# KiCad board Rabid.kicad_pcb
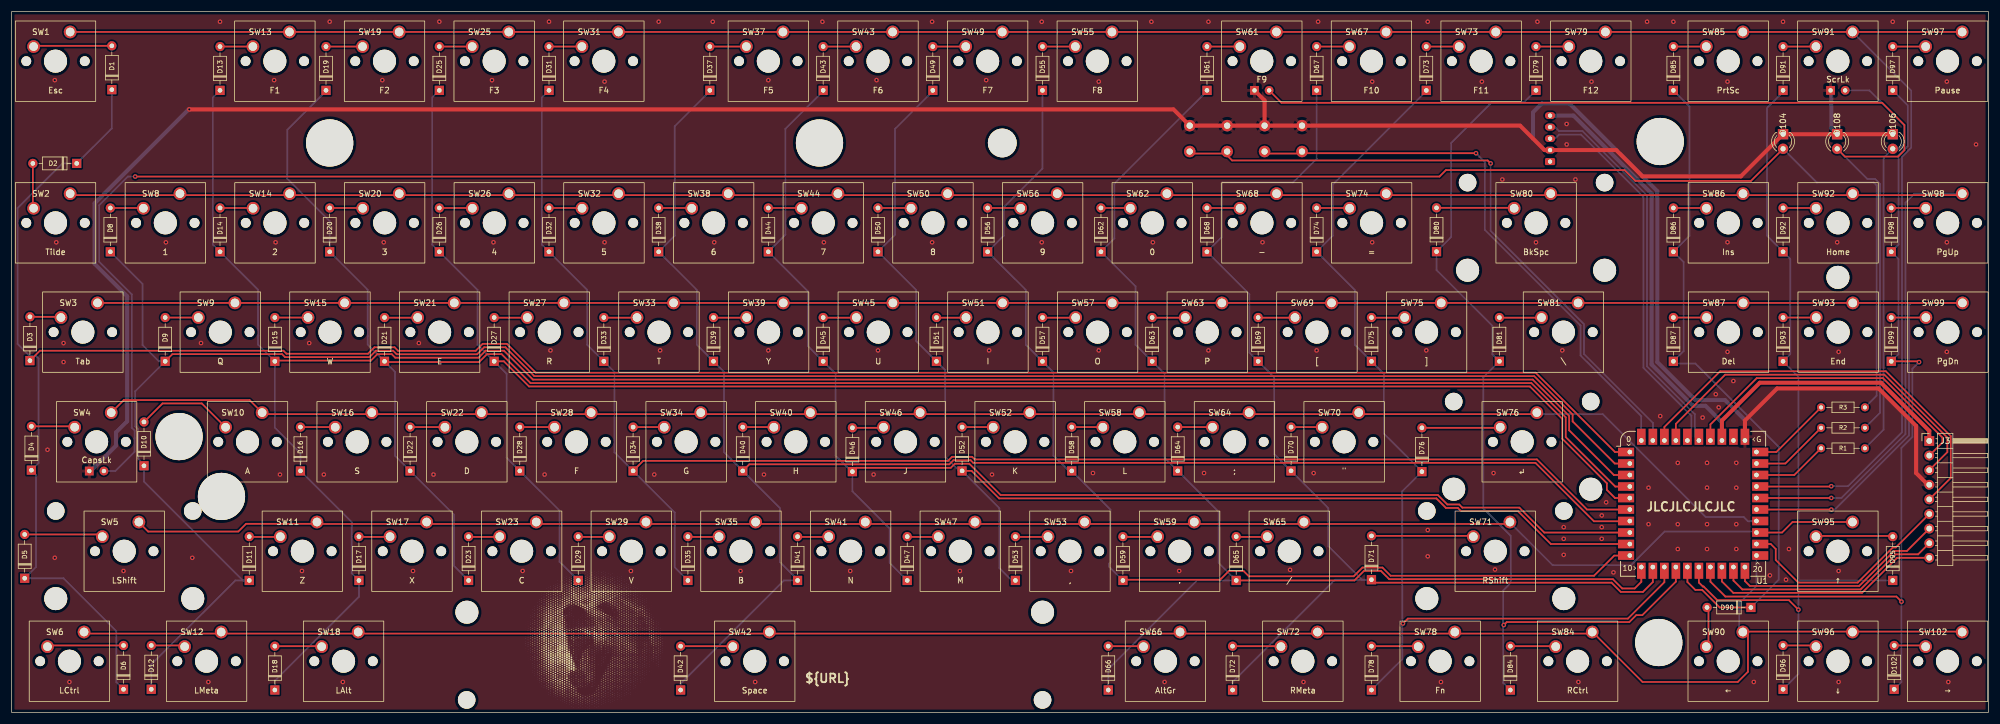
[diagram p0: board, top side]
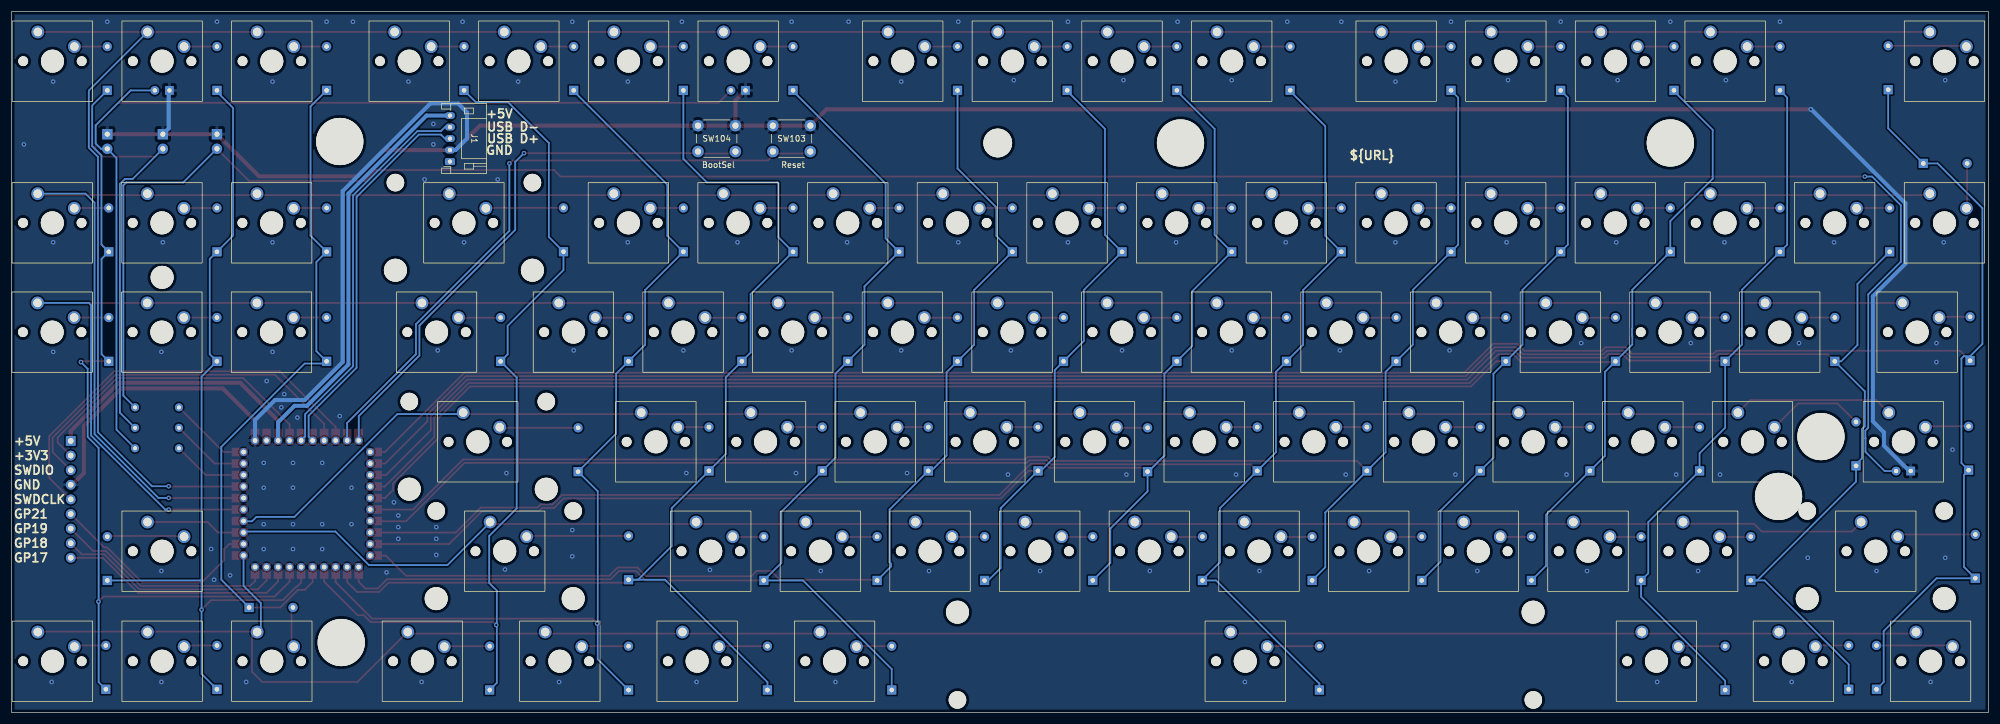
[diagram p1: board, bottom side, seen from below]

Outline 343.43 x 121.89 mm; copper layers: Top, Bottom. Coordinates in mm from the lower left corner of the outline.
Outline path: rectangle 0,121.89 343.43,0
Stack: Top 0.035mm / dielectric 1.51mm FR4 er 4.5 / Bottom 0.035mm

## Placement (name value [footprint] x y rotation side)
D1  1N4148  [D_DO-35_SOD27_P7.62mm_Horizontal]  17.42 108.31 90 top
D2  1N4148  [D_DO-35_SOD27_P7.62mm_Horizontal]  11.33 95.48 180 top
D3  1N4148  [D_DO-35_SOD27_P7.62mm_Horizontal]  3.2 61.19 90 top
D4  1N4148  [D_DO-35_SOD27_P7.62mm_Horizontal]  3.45 42.14 90 top
D5  1N4148  [D_DO-35_SOD27_P7.62mm_Horizontal]  2.29 23.34 90 top
D6  1N4148  [D_DO-35_SOD27_P7.62mm_Horizontal]  19.46 4.04 90 top
D8  1N4148  [D_DO-35_SOD27_P7.62mm_Horizontal]  17.17 80.11 90 top
D9  1N4148  [D_DO-35_SOD27_P7.62mm_Horizontal]  26.7 61.06 90 top
D10  1N4148  [D_DO-35_SOD27_P7.62mm_Horizontal]  23.01 42.9 90 top
D11  1N4148  [D_DO-35_SOD27_P7.62mm_Horizontal]  41.3 22.96 90 top
D12  1N4148  [D_DO-35_SOD27_P7.62mm_Horizontal]  24.28 4.04 90 top
D13  1N4148  [D_DO-35_SOD27_P7.62mm_Horizontal]  36.22 108.18 90 top
D14  1N4148  [D_DO-35_SOD27_P7.62mm_Horizontal]  36.22 80.11 90 top
D15  1N4148  [D_DO-35_SOD27_P7.62mm_Horizontal]  45.75 61.06 90 top
D16  1N4148  [D_DO-35_SOD27_P7.62mm_Horizontal]  50.19 42.01 90 top
D17  1N4148  [D_DO-35_SOD27_P7.62mm_Horizontal]  60.35 22.96 90 top
D18  1N4148  [D_DO-35_SOD27_P7.62mm_Horizontal]  45.75 3.91 90 top
D19  1N4148  [D_DO-35_SOD27_P7.62mm_Horizontal]  54.64 108.18 90 top
D20  1N4148  [D_DO-35_SOD27_P7.62mm_Horizontal]  55.27 80.11 90 top
D21  1N4148  [D_DO-35_SOD27_P7.62mm_Horizontal]  64.8 61.06 90 top
D22  1N4148  [D_DO-35_SOD27_P7.62mm_Horizontal]  69.24 42.01 90 top
D23  1N4148  [D_DO-35_SOD27_P7.62mm_Horizontal]  79.4 22.96 90 top
D25  1N4148  [D_DO-35_SOD27_P7.62mm_Horizontal]  74.32 108.18 90 top
D26  1N4148  [D_DO-35_SOD27_P7.62mm_Horizontal]  74.32 80.11 90 top
D27  1N4148  [D_DO-35_SOD27_P7.62mm_Horizontal]  83.85 61.06 90 top
D28  1N4148  [D_DO-35_SOD27_P7.62mm_Horizontal]  88.29 42.01 90 top
D29  1N4148  [D_DO-35_SOD27_P7.62mm_Horizontal]  98.45 22.96 90 top
D31  1N4148  [D_DO-35_SOD27_P7.62mm_Horizontal]  93.37 108.18 90 top
D32  1N4148  [D_DO-35_SOD27_P7.62mm_Horizontal]  93.37 80.11 90 top
D33  1N4148  [D_DO-35_SOD27_P7.62mm_Horizontal]  102.9 61.06 90 top
D34  1N4148  [D_DO-35_SOD27_P7.62mm_Horizontal]  107.98 42.01 90 top
D35  1N4148  [D_DO-35_SOD27_P7.62mm_Horizontal]  117.5 22.96 90 top
D37  1N4148  [D_DO-35_SOD27_P7.62mm_Horizontal]  121.31 108.18 90 top
D38  1N4148  [D_DO-35_SOD27_P7.62mm_Horizontal]  112.42 80.11 90 top
D39  1N4148  [D_DO-35_SOD27_P7.62mm_Horizontal]  121.95 61.06 90 top
D40  1N4148  [D_DO-35_SOD27_P7.62mm_Horizontal]  127.03 42.01 90 top
D41  1N4148  [D_DO-35_SOD27_P7.62mm_Horizontal]  136.55 22.96 90 top
D42  1N4148  [D_DO-35_SOD27_P7.62mm_Horizontal]  116.23 3.91 90 top
D43  1N4148  [D_DO-35_SOD27_P7.62mm_Horizontal]  141 108.18 90 top
D44  1N4148  [D_DO-35_SOD27_P7.62mm_Horizontal]  131.47 80.11 90 top
D45  1N4148  [D_DO-35_SOD27_P7.62mm_Horizontal]  141 61.06 90 top
D46  1N4148  [D_DO-35_SOD27_P7.62mm_Horizontal]  146.08 41.88 90 top
D47  1N4148  [D_DO-35_SOD27_P7.62mm_Horizontal]  155.6 22.96 90 top
D49  1N4148  [D_DO-35_SOD27_P7.62mm_Horizontal]  160.05 108.18 90 top
D50  1N4148  [D_DO-35_SOD27_P7.62mm_Horizontal]  150.52 80.11 90 top
D51  1N4148  [D_DO-35_SOD27_P7.62mm_Horizontal]  160.68 61.06 90 top
D52  1N4148  [D_DO-35_SOD27_P7.62mm_Horizontal]  165.13 42.01 90 top
D53  1N4148  [D_DO-35_SOD27_P7.62mm_Horizontal]  174.4 22.96 90 top
D55  1N4148  [D_DO-35_SOD27_P7.62mm_Horizontal]  179.1 108.18 90 top
D56  1N4148  [D_DO-35_SOD27_P7.62mm_Horizontal]  169.57 80.11 90 top
D57  1N4148  [D_DO-35_SOD27_P7.62mm_Horizontal]  179.1 61.06 90 top
D58  1N4148  [D_DO-35_SOD27_P7.62mm_Horizontal]  184.18 42.01 90 top
D59  1N4148  [D_DO-35_SOD27_P7.62mm_Horizontal]  193.07 22.96 90 top
D61  1N4148  [D_DO-35_SOD27_P7.62mm_Horizontal]  207.67 108.18 90 top
D62  1N4148  [D_DO-35_SOD27_P7.62mm_Horizontal]  189.26 80.11 90 top
D63  1N4148  [D_DO-35_SOD27_P7.62mm_Horizontal]  198.15 61.06 90 top
D64  1N4148  [D_DO-35_SOD27_P7.62mm_Horizontal]  202.59 42.01 90 top
D65  1N4148  [D_DO-35_SOD27_P7.62mm_Horizontal]  212.75 22.96 90 top
D66  1N4148  [D_DO-35_SOD27_P7.62mm_Horizontal]  190.53 3.91 90 top
D67  1N4148  [D_DO-35_SOD27_P7.62mm_Horizontal]  226.72 108.18 90 top
D68  1N4148  [D_DO-35_SOD27_P7.62mm_Horizontal]  207.67 80.11 90 top
D69  1N4148  [D_DO-35_SOD27_P7.62mm_Horizontal]  216.56 61.06 90 top
D70  1N4148  [D_DO-35_SOD27_P7.62mm_Horizontal]  222.28 42.01 90 top
D71  1N4148  [D_DO-35_SOD27_P7.62mm_Horizontal]  236.25 23.09 90 top
D72  1N4148  [D_DO-35_SOD27_P7.62mm_Horizontal]  212.12 3.91 90 top
D73  1N4148  [D_DO-35_SOD27_P7.62mm_Horizontal]  245.77 108.18 90 top
D74  1N4148  [D_DO-35_SOD27_P7.62mm_Horizontal]  226.72 80.11 90 top
D75  1N4148  [D_DO-35_SOD27_P7.62mm_Horizontal]  236.25 61.06 90 top
D76  1N4148  [D_DO-35_SOD27_P7.62mm_Horizontal]  245.01 41.88 90 top
D78  1N4148  [D_DO-35_SOD27_P7.62mm_Horizontal]  236.25 3.91 90 top
D79  1N4148  [D_DO-35_SOD27_P7.62mm_Horizontal]  264.82 108.18 90 top
D80  1N4148  [D_DO-35_SOD27_P7.62mm_Horizontal]  247.55 80.14 90 top
D81  1N4148  [D_DO-35_SOD27_P7.62mm_Horizontal]  258.47 61.06 90 top
D84  1N4148  [D_DO-35_SOD27_P7.62mm_Horizontal]  260.38 3.91 90 top
D85  1N4148  [D_DO-35_SOD27_P7.62mm_Horizontal]  288.7 108.18 90 top
D86  1N4148  [D_DO-35_SOD27_P7.62mm_Horizontal]  288.7 80.11 90 top
D87  1N4148  [D_DO-35_SOD27_P7.62mm_Horizontal]  288.7 61.06 90 top
D90  1N4148  [D_DO-35_SOD27_P7.62mm_Horizontal]  302.16 18.26 180 top
D91  1N4148  [D_DO-35_SOD27_P7.62mm_Horizontal]  307.75 108.18 90 top
D92  1N4148  [D_DO-35_SOD27_P7.62mm_Horizontal]  307.75 80.11 90 top
D93  1N4148  [D_DO-35_SOD27_P7.62mm_Horizontal]  307.75 61.06 90 top
D95  1N4148  [D_DO-35_SOD27_P7.62mm_Horizontal]  326.8 22.96 90 top
D96  1N4148  [D_DO-35_SOD27_P7.62mm_Horizontal]  307.75 4.04 90 top
D97  1N4148  [D_DO-35_SOD27_P7.62mm_Horizontal]  326.8 108.18 90 top
D98  1N4148  [D_DO-35_SOD27_P7.62mm_Horizontal]  326.54 80.11 90 top
D99  1N4148  [D_DO-35_SOD27_P7.62mm_Horizontal]  326.54 61.06 90 top
D102  1N4148  [D_DO-35_SOD27_P7.62mm_Horizontal]  327.05 4.04 90 top
D104  CapsLock  [LED_D3.0mm]  307.75 100.56 270 top
D106  ScrollLock  [LED_D3.0mm]  326.8 100.56 270 top
D108  MetaLock  [LED_D3.0mm]  317.14 100.56 270 top
G1  LOGO  [RabidKeyboardLogo]  101.24 12.42 0 top
H1  -  [MountingHole_8.2mm]  55.27 99.03 0 top
H2  -  [MountingHole_8.2mm]  140.36 99.03 0 top
H3  -  [MountingHole_5mm]  172.11 99.03 0 top
H4  -  [MountingHole_8.2mm]  286.41 99.29 0 top
H5  -  [MountingHole_8.2mm]  29.11 47.98 0 top
H6  -  [MountingHole_8.2mm]  36.47 37.57 0 top
H7  -  [MountingHole_8.2mm]  286.16 12.17 0 top
H8  -  [MountingHole_4mm]  317.27 75.67 0 top
J1  USB Connector  [JST_PH_S5B-PH-K_1x05_P2.00mm_Horizontal]  267.27 95.8 90 bottom
J3  GPIO Debug Header  [PinHeader_1x09_P2.54mm_Horizontal]  333.15 47.22 0 top
R1  560  [R_Axial_DIN0204_L3.6mm_D1.6mm_P7.62mm_Horizontal]  314.35 45.95 0 top
R2  560  [R_Axial_DIN0204_L3.6mm_D1.6mm_P7.62mm_Horizontal]  314.35 49.5 0 top
R3  560  [R_Axial_DIN0204_L3.6mm_D1.6mm_P7.62mm_Horizontal]  314.35 53.06 0 top
SW1  Esc  [SW_Cherry_MX_1.00u_PCB]  10.19 118.34 0 top
SW2  Tilde  [SW_Cherry_MX_1.00u_PCB]  10.19 90.22 0 top
SW3  Tab  [SW_Cherry_MX_1.50u_PCB]  14.94 71.22 0 top
SW4  CapsLk  [SW_Cherry_MX_1.75u_PCB_LED]  17.32 52.15 0 top
SW5  LShift  [SW_Cherry_MX_2.25u_PCB]  22.12 33.12 0 top
SW6  LCtrl  [SW_Cherry_MX_1.25u_PCB]  12.6 14 0 top
SW8  1  [SW_Cherry_MX_1.00u_PCB]  29.26 90.22 0 top
SW9  Q  [SW_Cherry_MX_1.00u_PCB]  38.81 71.22 0 top
SW10  A  [SW_Cherry_MX_1.00u_PCB]  43.54 52.15 0 top
SW11  Z  [SW_Cherry_MX_1.00u_PCB]  53.06 33.12 0 top
SW12  LMeta  [SW_Cherry_MX_1.25u_PCB]  36.42 14 0 top
SW13  F1  [SW_Cherry_MX_1.00u_PCB]  48.29 118.34 0 top
SW14  2  [SW_Cherry_MX_1.00u_PCB]  48.31 90.22 0 top
SW15  W  [SW_Cherry_MX_1.00u_PCB]  57.86 71.22 0 top
SW16  S  [SW_Cherry_MX_1.00u_PCB]  62.59 52.15 0 top
SW17  X  [SW_Cherry_MX_1.00u_PCB]  72.11 33.12 0 top
SW18  LAlt  [SW_Cherry_MX_1.25u_PCB]  60.22 14 0 top
SW19  F2  [SW_Cherry_MX_1.00u_PCB]  67.34 118.34 0 top
SW20  3  [SW_Cherry_MX_1.00u_PCB]  67.36 90.22 0 top
SW21  E  [SW_Cherry_MX_1.00u_PCB]  76.91 71.22 0 top
SW22  D  [SW_Cherry_MX_1.00u_PCB]  81.64 52.15 0 top
SW23  C  [SW_Cherry_MX_1.00u_PCB]  91.16 33.12 0 top
SW25  F3  [SW_Cherry_MX_1.00u_PCB]  86.39 118.34 0 top
SW26  4  [SW_Cherry_MX_1.00u_PCB]  86.41 90.22 0 top
SW27  R  [SW_Cherry_MX_1.00u_PCB]  95.96 71.22 0 top
SW28  F  [SW_Cherry_MX_1.00u_PCB]  100.69 52.15 0 top
SW29  V  [SW_Cherry_MX_1.00u_PCB]  110.21 33.12 0 top
SW31  F4  [SW_Cherry_MX_1.00u_PCB]  105.44 118.34 0 top
SW32  5  [SW_Cherry_MX_1.00u_PCB]  105.46 90.22 0 top
SW33  T  [SW_Cherry_MX_1.00u_PCB]  115.01 71.22 0 top
SW34  G  [SW_Cherry_MX_1.00u_PCB]  119.74 52.15 0 top
SW35  B  [SW_Cherry_MX_1.00u_PCB]  129.26 33.12 0 top
SW37  F5  [SW_Cherry_MX_1.00u_PCB]  134.01 118.34 0 top
SW38  6  [SW_Cherry_MX_1.00u_PCB]  124.51 90.22 0 top
SW39  Y  [SW_Cherry_MX_1.00u_PCB]  134.06 71.22 0 top
SW40  H  [SW_Cherry_MX_1.00u_PCB]  138.79 52.15 0 top
SW41  N  [SW_Cherry_MX_1.00u_PCB]  148.31 33.12 0 top
SW42  Space  [SW_Cherry_MX_6.25u_PCB_MirroredStabs]  131.65 14 0 top
SW43  F6  [SW_Cherry_MX_1.00u_PCB]  153.06 118.34 0 top
SW44  7  [SW_Cherry_MX_1.00u_PCB]  143.56 90.22 0 top
SW45  U  [SW_Cherry_MX_1.00u_PCB]  153.11 71.22 0 top
SW46  J  [SW_Cherry_MX_1.00u_PCB]  157.84 52.15 0 top
SW47  M  [SW_Cherry_MX_1.00u_PCB]  167.36 33.12 0 top
SW49  F7  [SW_Cherry_MX_1.00u_PCB]  172.11 118.34 0 top
SW50  8  [SW_Cherry_MX_1.00u_PCB]  162.61 90.22 0 top
SW51  I  [SW_Cherry_MX_1.00u_PCB]  172.16 71.22 0 top
SW52  K  [SW_Cherry_MX_1.00u_PCB]  176.89 52.15 0 top
SW53  ,  [SW_Cherry_MX_1.00u_PCB]  186.41 33.12 0 top
SW55  F8  [SW_Cherry_MX_1.00u_PCB]  191.16 118.34 0 top
SW56  9  [SW_Cherry_MX_1.00u_PCB]  181.66 90.22 0 top
SW57  O  [SW_Cherry_MX_1.00u_PCB]  191.21 71.22 0 top
SW58  L  [SW_Cherry_MX_1.00u_PCB]  195.94 52.15 0 top
SW59  .  [SW_Cherry_MX_1.00u_PCB]  205.46 33.12 0 top
SW61  F9  [SW_Cherry_MX_1.00u_PCB_LED]  219.74 118.34 0 top
SW62  0  [SW_Cherry_MX_1.00u_PCB]  200.71 90.22 0 top
SW63  P  [SW_Cherry_MX_1.00u_PCB]  210.26 71.22 0 top
SW64  ;  [SW_Cherry_MX_1.00u_PCB]  214.99 52.15 0 top
SW65  /  [SW_Cherry_MX_1.00u_PCB]  224.51 33.12 0 top
SW66  AltGr  [SW_Cherry_MX_1.25u_PCB]  203 14 0 top
SW67  F10  [SW_Cherry_MX_1.00u_PCB]  238.79 118.34 0 top
SW68  -  [SW_Cherry_MX_1.00u_PCB]  219.76 90.22 0 top
SW69  [  [SW_Cherry_MX_1.00u_PCB]  229.31 71.22 0 top
SW70  "  [SW_Cherry_MX_1.00u_PCB]  234.04 52.15 0 top
SW71  RShift  [SW_Cherry_MX_2.75u_PCB]  260.3 33.12 0 top
SW72  RMeta  [SW_Cherry_MX_1.25u_PCB]  226.87 14 0 top
SW73  F11  [SW_Cherry_MX_1.00u_PCB]  257.84 118.34 0 top
SW74  =  [SW_Cherry_MX_1.00u_PCB]  238.81 90.22 0 top
SW75  ]  [SW_Cherry_MX_1.00u_PCB]  248.36 71.22 0 top
SW76  ↲  [SW_Cherry_MX_2.25u_PCB]  264.97 52.15 0 top
SW78  Fn  [SW_Cherry_MX_1.25u_PCB]  250.72 14 0 top
SW79  F12  [SW_Cherry_MX_1.00u_PCB]  276.89 118.34 0 top
SW80  BkSpc  [SW_Cherry_MX_2.00u_PCB]  267.39 90.22 0 top
SW81  \  [SW_Cherry_MX_1.50u_PCB]  272.14 71.22 0 top
SW84  RCtrl  [SW_Cherry_MX_1.25u_PCB]  274.6 14 0 top
SW85  PrtSc  [SW_Cherry_MX_1.00u_PCB]  300.76 118.34 0 top
SW86  Ins  [SW_Cherry_MX_1.00u_PCB]  300.79 90.22 0 top
SW87  Del  [SW_Cherry_MX_1.00u_PCB]  300.81 71.22 0 top
SW90  ←  [SW_Cherry_MX_1.00u_PCB]  300.76 14 0 top
SW91  ScrLk  [SW_Cherry_MX_1.00u_PCB_LED]  319.81 118.34 0 top
SW92  Home  [SW_Cherry_MX_1.00u_PCB]  319.84 90.22 0 top
SW93  End  [SW_Cherry_MX_1.00u_PCB]  319.86 71.22 0 top
SW95  ↑  [SW_Cherry_MX_1.00u_PCB]  319.81 33.12 0 top
SW96  ↓  [SW_Cherry_MX_1.00u_PCB]  319.81 14 0 top
SW97  Pause  [SW_Cherry_MX_1.00u_PCB]  338.86 118.34 0 top
SW98  PgUp  [SW_Cherry_MX_1.00u_PCB]  338.89 90.22 0 top
SW99  PgDn  [SW_Cherry_MX_1.00u_PCB]  338.91 71.22 0 top
SW102  →  [SW_Cherry_MX_1.00u_PCB]  338.86 14 0 top
SW103  Reset  [SW_PUSH_6mm]  211.17 102.05 180 bottom
SW104  BootSel  [SW_PUSH_6mm]  224.18 102.05 180 bottom
U1  RP2040_Stamp  [RP2040_Stamp_THT]  292.13 36.3 0 top

## Library data of the parts
D1-D6 D8-D23 D25-D29 D31-D35 D37-D47 D49-D53 D55-D59 D61-D76 D78-D81 D84-D87 D90-D93 D95-D99 D102 = -: Field4: K; Field5: K

## Footprints (pads in the part's own frame, mm; a bottom-side part is the same pattern mirrored in y, then rotated)
D_DO-35_SOD27_P7.62mm_Horizontal
  rect 1.6x1.6 hole 0.8: 1(0,0)
  oval 1.6x1.6 hole 0.8: 2(7.62,0)
JST_PH_S5B-PH-K_1x05_P2.00mm_Horizontal
  rrect 1.2x1.75 hole 0.75: 1(0,0)
  oval 1.2x1.75 hole 0.75: 2(2,0) 3(4,0) 4(6,0) 5(8,0)
LED_D3.0mm
  rect 1.8x1.8 hole 0.9: 1(0,0)
  round 1.8 hole 0.9: 2(2.54,0)
MountingHole_4mm
  round 4 hole 4 unplated: (0,0)
MountingHole_5mm
  round 5 hole 5 unplated: (0,0)
MountingHole_8.2mm
  round 8.2 hole 8.2 unplated: (0,0)
PinHeader_1x09_P2.54mm_Horizontal
  rect 1.7x1.7 hole 1: 1(0,0)
  oval 1.7x1.7 hole 1: 2(0,-2.54) 3(0,-5.08) 4(0,-7.62) 5(0,-10.16) 6(0,-12.7) 7(0,-15.24) 8(0,-17.78) 9(0,-20.32)
R_Axial_DIN0204_L3.6mm_D1.6mm_P7.62mm_Horizontal
  round 1.4 hole 0.7: 1(0,0)
  oval 1.4x1.4 hole 0.7: 2(7.62,0)
RP2040_Stamp_THT
  rect 2.8x1.5 smd: 1(-11.65,9) 2(-11.65,7) 3(-11.65,5) 4(-11.65,3) 5(-11.65,1) 6(-11.65,-1) 7(-11.65,-3) 8(-11.65,-5) 9(-11.65,-7) 10(-11.65,-9) 21(11.65,-9) 22(11.65,-7) 23(11.65,-5) 24(11.65,-3) 25(11.65,-1) 26(11.65,1) 27(11.65,3) 28(11.65,5) 29(11.65,7) 30(11.65,9)
  round 1.35 hole 0.8: 1(-11,9)
  oval 1.35x1.35 hole 0.8: 2(-11,7) 3(-11,5) 4(-11,3) 5(-11,1) 6(-11,-1) 7(-11,-3) 8(-11,-5) 9(-11,-7) 10(-11,-9) 11(-9,-11) 12(-7,-11) 13(-5,-11) 14(-3,-11) 15(-1,-11) 16(1,-11) 17(3,-11) 18(5,-11) 19(7,-11) 20(9,-11) 21(11,-9) 22(11,-7) 23(11,-5) 24(11,-3) 25(11,-1) 26(11,1) 27(11,3) 28(11,5) 29(11,7) 30(11,9) 31(9,11) 32(7,11) 33(5,11) 34(3,11) 35(1,11) 36(-1,11) 37(-3,11) 38(-5,11) 39(-7,11) 40(-9,11)
  rect 1.5x2.8 smd: 11(-9,-11.65) 12(-7,-11.65) 13(-5,-11.65) 14(-3,-11.65) 15(-1,-11.65) 16(1,-11.65) 17(3,-11.65) 18(5,-11.65) 19(7,-11.65) 20(9,-11.65) 31(9,11.65) 32(7,11.65) 33(5,11.65) 34(3,11.65) 35(1,11.65) 36(-1,11.65) 37(-3,11.65) 38(-5,11.65) 39(-7,11.65) 40(-9,11.65)
SW_Cherry_MX_1.00u_PCB
  round 1.7 hole 1.7 unplated: (-7.62,-5.08) (2.54,-5.08)
  round 4 hole 4 unplated: (-2.54,-5.08)
  round 2.2 hole 1.5: 1(0,0) 2(-6.35,-2.54)
SW_Cherry_MX_1.00u_PCB_LED
  round 1.7 hole 1.7 unplated: (-7.62,-5.08) (2.54,-5.08)
  round 4 hole 4 unplated: (-2.54,-5.08)
  round 2.2 hole 1.5: 1(0,0) 2(-6.35,-2.54)
  rect 1.524x1.524 hole 0.762: 3(-3.81,-10.16)
  round 1.524 hole 0.762: 4(-1.27,-10.16)
SW_Cherry_MX_1.25u_PCB
  round 1.7 hole 1.7 unplated: (-7.62,-5.08) (2.54,-5.08)
  round 4 hole 4 unplated: (-2.54,-5.08)
  round 2.2 hole 1.5: 1(0,0) 2(-6.35,-2.54)
SW_Cherry_MX_1.50u_PCB
  round 1.7 hole 1.7 unplated: (-7.62,-5.08) (2.54,-5.08)
  round 4 hole 4 unplated: (-2.54,-5.08)
  round 2.2 hole 1.5: 1(0,0) 2(-6.35,-2.54)
SW_Cherry_MX_1.75u_PCB_LED
  round 1.7 hole 1.7 unplated: (-7.62,-5.08) (2.54,-5.08)
  round 4 hole 4 unplated: (-2.54,-5.08)
  round 2.2 hole 1.5: 1(0,0) 2(-6.35,-2.54)
  rect 1.524x1.524 hole 0.762: 3(-3.81,-10.16)
  round 1.524 hole 0.762: 4(-1.27,-10.16)
SW_Cherry_MX_2.00u_PCB
  round 3.05 hole 3.05 unplated: (-14.44,1.92) (9.36,1.92)
  round 4 hole 4 unplated: (-14.44,-13.32) (-2.54,-5.08) (9.36,-13.32)
  round 1.7 hole 1.7 unplated: (-7.62,-5.08) (2.54,-5.08)
  round 2.2 hole 1.5: 1(0,0) 2(-6.35,-2.54)
SW_Cherry_MX_2.25u_PCB
  round 3.05 hole 3.05 unplated: (-14.44,1.92) (9.36,1.92)
  round 4 hole 4 unplated: (-14.44,-13.32) (-2.54,-5.08) (9.36,-13.32)
  round 1.7 hole 1.7 unplated: (-7.62,-5.08) (2.54,-5.08)
  round 2.2 hole 1.5: 1(0,0) 2(-6.35,-2.54)
SW_Cherry_MX_2.75u_PCB
  round 3.05 hole 3.05 unplated: (-14.44,1.92) (9.36,1.92)
  round 4 hole 4 unplated: (-14.44,-13.32) (-2.54,-5.08) (9.36,-13.32)
  round 1.7 hole 1.7 unplated: (-7.62,-5.08) (2.54,-5.08)
  round 2.2 hole 1.5: 1(0,0) 2(-6.35,-2.54)
SW_Cherry_MX_6.25u_PCB_MirroredStabs
  round 3.05 hole 3.05 unplated: (-52.578,-11.811) (47.46,-11.811)
  round 4 hole 4 unplated: (-52.54,3.445) (-2.54,-5.08) (47.46,3.445)
  round 1.7 hole 1.7 unplated: (-7.62,-5.08) (2.54,-5.08)
  round 2.2 hole 1.5: 1(0,0) 2(-6.35,-2.54)
SW_PUSH_6mm
  round 2 hole 1.1: 1(0,0) 1(6.5,0) 2(0,-4.5) 2(6.5,-4.5)

## Nets
+3V3: J3.2 U1.34
+5V: J1.5 J3.1 U1.33
GND: D104.1 D106.1 D108.1 J1.2 J3.4 SW4.3 SW61.3 SW91.3 SW103.1 SW104.1 U1.31
/BOOTSEL: SW104.2 U1.40
/CapsLED: D104.2 R3.2 SW4.4
/CapsLED_GPIO: R3.1 U1.30
/GPIO17: J3.9 U1.18
/GPIO18: J3.8 U1.19
/GPIO19: J3.7 U1.20
/GPIO21: J3.6 U1.22
/MetaLED: D108.2 R2.2 SW61.4
/MetaLED_GPIO: R2.1 U1.29
/ScrollLED: D106.2 R1.2 SW91.4
/ScrollLED_GPIO: R1.1 U1.28
/SWCLK: J3.5 U1.38
/SWDIO: J3.3 U1.37
/USB_D+: J1.3 U1.36
/USB_D-: J1.4 U1.35
/~{RESET}: SW103.2 U1.39
ColA: D1.1 D2.1 D3.1 D4.1 D5.1 D6.1 U1.1
ColB: D8.1 D9.1 D10.1 D11.1 D12.1 U1.2
ColC: D13.1 D14.1 D15.1 D16.1 D17.1 D18.1 U1.3
ColD: D19.1 D20.1 D21.1 D22.1 D23.1 U1.4
ColE: D25.1 D26.1 D27.1 D28.1 D29.1 U1.5
ColF: D31.1 D32.1 D33.1 D34.1 D35.1 U1.6
ColG: D37.1 D38.1 D39.1 D40.1 D41.1 D42.1 U1.7
ColH: D43.1 D44.1 D45.1 D46.1 D47.1 U1.8
ColI: D49.1 D50.1 D51.1 D52.1 D53.1 U1.9
ColJ: D55.1 D56.1 D57.1 D58.1 D59.1 U1.10
ColK: D61.1 D62.1 D63.1 D64.1 D65.1 D66.1 U1.11
ColL: D67.1 D68.1 D69.1 D70.1 D71.1 D72.1 U1.12
ColM: D73.1 D74.1 D75.1 D76.1 D78.1 U1.13
ColN: D79.1 D80.1 D81.1 D84.1 U1.14
ColO: D85.1 D86.1 D87.1 D90.1 U1.15
ColP: D91.1 D92.1 D93.1 D95.1 D96.1 U1.16
ColQ: D97.1 D98.1 D99.1 D102.1 U1.17
Row0: SW1.1 SW13.1 SW19.1 SW25.1 SW31.1 SW37.1 SW43.1 SW49.1 SW55.1 SW61.1 SW67.1 SW73.1 SW79.1 SW85.1 SW91.1 SW97.1 U1.27
Row1: SW2.1 SW8.1 SW14.1 SW20.1 SW26.1 SW32.1 SW38.1 SW44.1 SW50.1 SW56.1 SW62.1 SW68.1 SW74.1 SW80.1 SW86.1 SW92.1 SW98.1 U1.26
Row2: SW3.1 SW9.1 SW15.1 SW21.1 SW27.1 SW33.1 SW39.1 SW45.1 SW51.1 SW57.1 SW63.1 SW69.1 SW75.1 SW81.1 SW87.1 SW93.1 SW99.1 U1.25
Row3: SW4.1 SW10.1 SW16.1 SW22.1 SW28.1 SW34.1 SW40.1 SW46.1 SW52.1 SW58.1 SW64.1 SW70.1 SW76.1 U1.24
Row4: SW5.1 SW11.1 SW17.1 SW23.1 SW29.1 SW35.1 SW41.1 SW47.1 SW53.1 SW59.1 SW65.1 SW71.1 SW95.1 U1.23
Row5: SW6.1 SW12.1 SW18.1 SW42.1 SW66.1 SW72.1 SW78.1 SW84.1 SW90.1 SW96.1 SW102.1 U1.21
Net-(D1-Pad2): D1.2 SW1.2
Net-(D2-Pad2): D2.2 SW2.2
Net-(D3-Pad2): D3.2 SW3.2
Net-(D4-Pad2): D4.2 SW4.2
Net-(D5-Pad2): D5.2 SW5.2
Net-(D6-Pad2): D6.2 SW6.2
Net-(D8-Pad2): D8.2 SW8.2
Net-(D9-Pad2): D9.2 SW9.2
Net-(D10-Pad2): D10.2 SW10.2
Net-(D11-Pad2): D11.2 SW11.2
Net-(D12-Pad2): D12.2 SW12.2
Net-(D13-Pad2): D13.2 SW13.2
Net-(D14-Pad2): D14.2 SW14.2
Net-(D15-Pad2): D15.2 SW15.2
Net-(D16-Pad2): D16.2 SW16.2
Net-(D17-Pad2): D17.2 SW17.2
Net-(D18-Pad2): D18.2 SW18.2
Net-(D19-Pad2): D19.2 SW19.2
Net-(D20-Pad2): D20.2 SW20.2
Net-(D21-Pad2): D21.2 SW21.2
Net-(D22-Pad2): D22.2 SW22.2
Net-(D23-Pad2): D23.2 SW23.2
Net-(D25-Pad2): D25.2 SW25.2
Net-(D26-Pad2): D26.2 SW26.2
Net-(D27-Pad2): D27.2 SW27.2
Net-(D28-Pad2): D28.2 SW28.2
Net-(D29-Pad2): D29.2 SW29.2
Net-(D31-Pad2): D31.2 SW31.2
Net-(D32-Pad2): D32.2 SW32.2
Net-(D33-Pad2): D33.2 SW33.2
Net-(D34-Pad2): D34.2 SW34.2
Net-(D35-Pad2): D35.2 SW35.2
Net-(D37-Pad2): D37.2 SW37.2
Net-(D38-Pad2): D38.2 SW38.2
Net-(D39-Pad2): D39.2 SW39.2
Net-(D40-Pad2): D40.2 SW40.2
Net-(D41-Pad2): D41.2 SW41.2
Net-(D42-Pad2): D42.2 SW42.2
Net-(D43-Pad2): D43.2 SW43.2
Net-(D44-Pad2): D44.2 SW44.2
Net-(D45-Pad2): D45.2 SW45.2
Net-(D46-Pad2): D46.2 SW46.2
Net-(D47-Pad2): D47.2 SW47.2
Net-(D49-Pad2): D49.2 SW49.2
Net-(D50-Pad2): D50.2 SW50.2
Net-(D51-Pad2): D51.2 SW51.2
Net-(D52-Pad2): D52.2 SW52.2
Net-(D53-Pad2): D53.2 SW53.2
Net-(D55-Pad2): D55.2 SW55.2
Net-(D56-Pad2): D56.2 SW56.2
Net-(D57-Pad2): D57.2 SW57.2
Net-(D58-Pad2): D58.2 SW58.2
Net-(D59-Pad2): D59.2 SW59.2
Net-(D61-Pad2): D61.2 SW61.2
Net-(D62-Pad2): D62.2 SW62.2
Net-(D63-Pad2): D63.2 SW63.2
Net-(D64-Pad2): D64.2 SW64.2
Net-(D65-Pad2): D65.2 SW65.2
Net-(D66-Pad2): D66.2 SW66.2
Net-(D67-Pad2): D67.2 SW67.2
Net-(D68-Pad2): D68.2 SW68.2
Net-(D69-Pad2): D69.2 SW69.2
Net-(D70-Pad2): D70.2 SW70.2
Net-(D71-Pad2): D71.2 SW71.2
Net-(D72-Pad2): D72.2 SW72.2
Net-(D73-Pad2): D73.2 SW73.2
Net-(D74-Pad2): D74.2 SW74.2
Net-(D75-Pad2): D75.2 SW75.2
Net-(D76-Pad2): D76.2 SW76.2
Net-(D78-Pad2): D78.2 SW78.2
Net-(D79-Pad2): D79.2 SW79.2
Net-(D80-Pad2): D80.2 SW80.2
Net-(D81-Pad2): D81.2 SW81.2
Net-(D84-Pad2): D84.2 SW84.2
Net-(D85-Pad2): D85.2 SW85.2
Net-(D86-Pad2): D86.2 SW86.2
Net-(D87-Pad2): D87.2 SW87.2
Net-(D90-Pad2): D90.2 SW90.2
Net-(D91-Pad2): D91.2 SW91.2
Net-(D92-Pad2): D92.2 SW92.2
Net-(D93-Pad2): D93.2 SW93.2
Net-(D95-Pad2): D95.2 SW95.2
Net-(D96-Pad2): D96.2 SW96.2
Net-(D97-Pad2): D97.2 SW97.2
Net-(D98-Pad2): D98.2 SW98.2
Net-(D99-Pad2): D99.2 SW99.2
Net-(D102-Pad2): D102.2 SW102.2

Pads without a net: J1 1; U1 32

## Via types
v1: diameter 0.8, hole 0.4, Top to Bottom, 154 vias

## Routing (per net, layer and track width the routed paths; a pad name or vN(x,y) marks a point on that pad's centre or on a via; arc(x,y) is an arc through that point)
+3V3: length 54.1
  Top w0.3: U1.34 295.13,50.09 303.17,58.14 325.1,58.14 335.43,47.81 335.43,46.96 J3.2
+5V: length 119.3
  Top w0.7: U1.33 297.13,50.76 303.71,57.34 324.77,57.34 333.15,48.96 J3.1
  Bottom w0.7: U1.33 297.13,50.47 294.27,53.33 292.09,53.33 284.9,60.52 284.9,90.24 271.34,103.8 J1.5
GND: length 531.8
  Top w0.7: 217.68,101.7 217.68,106.42 SW61.3 ; U1.31 301.13,50.76 306.71,56.34 324.36,56.34 330.86,49.84 330.86,41.63 332.89,39.6 ; D104.1 300.41,93.23 283.32,93.23 278.76,97.8 J1.2 266.31,97.8 262.06,102.05 SW104.1 SW103.1 201.84,104.88 v1(30.89,104.88) ; D106.1 307.75,100.56
  Bottom w0.7: v1(30.89,104.88) 30.77,104.88 14.43,88.54 14.43,78.04 20.09,72.38 20.09,50.65 18.16,48.71 18.16,46.4 13.74,41.99 ; U1.31 301.13,50.86 297.66,54.33 292.51,54.33 285.9,60.93 285.9,90.65 270.66,105.89 265.84,105.89 264.31,104.37 264.31,99.8 266.31,97.8 J1.2 ; D108.1 316.13,101.57 316.13,108.05
  vias: v1(6.25,45.69) v1(7.52,109.96) v1(7.52,26.9) v1(7.77,81.76) v1(9.04,64.24) v1(9.04,60.93) v1(10.06,5.31) v1(19.46,24.61) v1(26.82,81.76) v1(31.39,26.9) v1(32.92,64.24) v1(34.19,5.31) v1(36.22,120.12) v1(45.62,109.96) v1(45.87,81.76) v1(46.63,41.38) v1(50.44,24.61) v1(51.71,64.24) v1(54.25,41.38) v1(55.27,120.12) v1(57.56,5.31) v1(64.41,109.96) v1(64.67,81.76) v1(69.75,24.61) v1(70.76,64.24) v1(73.3,41.38) v1(74.32,120.12) v1(83.46,109.96) v1(83.72,81.76) v1(88.8,24.61) v1(92.61,41.38) v1(93.37,120.12) v1(93.62,62.97) v1(103.02,109.7) v1(103.02,81.76) v1(107.59,24.61) v1(111.66,41.38) v1(112.42,120.12) v1(112.67,62.97) v1(121.82,120.12) v1(122.07,81.76) v1(126.64,24.61) v1(129.18,5.31) v1(130.71,41.38) v1(131.47,109.96) v1(131.47,62.97) v1(140.87,120.12) v1(141.12,81.76) v1(145.69,24.61) v1(149.76,41.38) v1(150.27,109.96) v1(150.52,62.97) v1(159.92,120.12) v1(159.92,81.76) v1(164.74,24.61) v1(169.32,109.96) v1(169.82,62.97) v1(170.33,41.38) v1(178.97,120.12) v1(178.97,81.76) v1(184.05,24.61) v1(187.86,41.63) v1(188.87,109.7) v1(188.87,62.97) v1(198.02,120.12) v1(198.27,81.76) v1(200.3,5.31) v1(202.84,24.61) v1(207.16,41.63) v1(207.92,120.12) v1(207.92,62.97) v1(217.32,81.76) v1(222.11,24.81) v1(224.43,5.31) v1(226.21,41.63) v1(226.72,62.97) v1(226.97,120.12) v1(236.37,109.7) v1(236.37,81.76) v1(245.77,62.97) v1(246.02,120.12) v1(246.02,31.72) v1(246.02,27.15) v1(248.31,5.31) v1(255.42,109.7) v1(257.45,41.63) v1(257.71,24.87) v1(258.98,92.68) v1(264.82,81.76) v1(265.07,120.12) v1(269.39,62.97) v1(269.65,32.23) v1(269.65,30.2) v1(269.65,27.41) v1(270.15,102.34) v1(270.15,98.78) v1(271.68,92.68) v1(272.19,5.31) v1(274.47,109.7) v1(276.25,34.26) v1(276.25,32.23) v1(276.25,30.2) v1(277.01,36.55) v1(278.28,24.36) v1(284.12,120.12) v1(284.38,39.09) v1(284.38,32.74) v1(286.41,51.54) v1(288.7,120.12) v1(289.46,43.41) v1(289.46,32.74) v1(289.46,28.42) v1(293.78,51.28) v1(294.54,43.41) v1(294.54,39.09) v1(294.54,32.74) v1(294.54,28.42) v1(296.06,55.35) v1(296.57,53.06) v1(298.09,109.7) v1(298.09,81.76) v1(298.09,62.71) v1(299.11,57.63) v1(299.62,43.41) v1(299.62,39.09) v1(299.62,32.74) v1(299.62,28.42) v1(302.67,5.31) v1(305.46,23.85) v1(307.75,120.12) v1(308.25,23.09) v1(308.76,28.42) v1(317.14,81.76) v1(317.4,62.71) v1(317.4,24.61) v1(317.4,5.31) v1(326.8,120.12) v1(336.19,109.7) v1(336.19,81.76) v1(336.19,62.71) v1(336.45,5.31) v1(341.27,98.78)
/BOOTSEL: length 98.5
  Top w0.3: v1(254.41,97.26) 224.24,97.26 ; 224.18,97.2 217.68,97.2
  Bottom w0.3: v1(254.41,97.26) 255.93,95.73 255.93,83.92 272.57,67.28 272.57,62.08 283.11,51.54 283.11,47.31
/CapsLED: length 410
  Top w0.3: 307.75,98.02 302.15,92.43 282.09,92.43 280.2,94.32 249.19,94.32 248.06,93.19 v1(21.49,93.19)
  Bottom w0.3: 307.75,98.02 313.59,92.18 323.49,92.18 324,91.67 324,55.09 R3.2 ; v1(21.49,93.19) 20.22,93.19 15.23,88.21 15.23,78.37 20.89,72.71 20.89,49.52 21.39,49.02 21.39,47.71 21.37,47.69 21.37,45.32 18.03,41.99 SW4.4 ; 16.15,42.39 16.66,41.88 16.05,41.88
/CapsLED_GPIO: length 14.4
  Top w0.3: R3.1 306.59,45.3 U1.30
/GPIO17: length 41.2
  Top w0.3: J3.9 327.56,26.9 321.46,20.8 299.11,20.8 297.13,22.79 U1.18
/GPIO18: length 39.7
  Top w0.3: J3.8 331.21,27.5 327.31,27.5 321.21,21.4 300.67,21.4 299.13,22.95 U1.19
/GPIO19: length 38.3
  Top w0.3: J3.7 329.27,28.1 327.06,28.1 320.97,22 301.98,22 301.13,22.85 U1.20
/GPIO21: length 38.8
  Top w0.3: J3.6 327.32,28.7 326.81,28.7 320.72,22.6 310.39,22.6 306.48,26.52 306.48,28.42 305.6,29.3 U1.22
/MetaLED: length 183.4
  Top w0.3: D108.2 318.49,96.67 327.73,96.67 328.83,97.76 328.83,102.16 324.97,106.02 220.62,106.02 218.46,108.18
  Bottom w0.3: R2.2 324.6,52.14 324.6,91.92 323.74,92.78 322.39,92.78 D108.2
/MetaLED_GPIO: length 13.8
  Top w0.3: U1.29 308.14,43.3 R2.1
/ScrollLED: length 72.4
  Bottom w0.3: R1.2 325.2,49.18 325.2,96.42 D106.2 327.89,98.02 328.81,98.94 328.81,102.1 322.73,108.18 SW91.4
/ScrollLED_GPIO: length 13.2
  Top w0.3: R1.1 309.7,41.3 U1.28
/SWCLK: length 72.7
  Top w0.3: U1.38 287.13,49.65 296.82,59.34 325.6,59.34 336.89,48.05 336.89,40.8 J3.5
/SWDIO: length 64.4
  Top w0.3: U1.37 289.13,50.19 297.68,58.74 325.35,58.74 336.29,47.8 336.29,45.28 J3.3
/USB_D+: length 67.1
  Bottom w0.3: U1.36 291.82,47.99 291.82,51.61 283.49,59.94 283.49,89.65 272.66,100.49 268.84,100.49 268.15,99.8 J1.3
/USB_D-: length 68.1
  Bottom w0.3: U1.35 292.43,47.99 292.43,51.86 284.1,60.19 284.1,89.91 272.91,101.1 268.84,101.1 268.15,101.8 J1.4
/~{RESET}: length 112.8
  Top w0.3: v1(256.95,95.48) 256.44,95.99 212.04,95.99 210.83,97.2 204.67,97.2
  Bottom w0.3: v1(256.95,95.48) 256.95,83.75 273.17,67.53 273.17,62.32 285.14,50.35 285.14,47.31
ColA: length 413.7
  Top w0.3: D3.1 4.92,62.91 47.24,62.91 47.77,62.39 61.93,62.39 63.05,63.51 66.54,63.51 67.16,62.9 80.64,62.9 81.85,64.11 86.05,64.11 91.07,59.09 264.76,59.09 278.55,45.3 279.7,45.3
  Bottom w0.3: D6.1 18.21,5.29 18.21,14.16 9.02,23.34 D5.1 4.26,25.31 4.26,41.34 D4.1 4.7,43.39 4.7,61.55 4.3,61.95 3.2,61.95 1.06,64.09 1.06,87.71 8.83,95.48 D2.1 17.42,101.57 17.42,108.18
ColB: length 364.9
  Top w0.3: D9.1 27.94,62.31 46.99,62.31 47.52,61.79 62.18,61.79 63.3,62.91 66.29,62.91 66.91,62.3 80.89,62.3 82.1,63.51 85.8,63.51 90.82,58.49 264.52,58.49 271.19,51.81 271.19,50.63 278.52,43.3 U1.2
  Bottom w0.3: D8.1 22.76,74.52 22.76,63.9 25.6,61.06 D9.1 21.49,55.85 21.49,49.77 21.99,49.27 21.99,44.18 23.01,43.15 23.01,40.15 40.2,22.96 D11.1 38.89,22.96 24.28,8.36 D12.1
ColC: length 367.5
  Top w0.3: 45.87,61.19 62.42,61.19 63.55,62.31 66.04,62.31 66.66,61.7 81.13,61.7 82.35,62.91 85.55,62.91 90.58,57.89 264.27,57.89 270.59,51.56 270.59,49.07 278.36,41.3 U1.3
  Bottom w0.3: 34.97,106.93 D13.1 ; D18.1 45.75,5.52 60.35,20.12 D17.1 59.1,24.21 59.1,33.1 D16.1 50.19,45.08 45.75,49.53 D15.1 42.82,63.98 42.82,65.46 42.86,65.49 42.86,66.74 42.82,66.77 42.82,73.51 D14.1 34.97,81.36 34.97,106.8
ColD: length 328.6
  Top w0.3: U1.4 278.58,39.3 269.99,47.89 269.99,51.31 264.02,57.29 90.16,57.29 85.14,62.31 82.6,62.31 81.22,60.93 64.92,60.93
  Bottom w0.3: 54.64,108.05 47.9,101.32 47.9,92.82 55.27,85.45 D20.1 61.87,73.51 61.87,66.77 61.91,66.74 61.91,65.49 61.87,65.46 61.87,63.98 D21.1 66.63,59.22 66.63,44.62 D22.1 76.86,34.39 76.86,25.5 D23.1
ColE: length 304.4
  Top w0.3: 279.62,37.3 278.55,37.3 277.14,38.71 277.14,39.85 269.39,47.6 269.39,51.07 263.77,56.69 89.91,56.69 85.54,61.06 D27.1
  Bottom w0.3: 73.07,106.8 73.07,81.36 D26.1 80.96,73.47 80.96,63.95 D27.1 86,58.9 86,44.3 D28.1 95.21,35.09 95.21,26.2 D29.1 ; D25.1 73.07,106.93
ColF: length 273.4
  Top w0.3: U1.6 273.69,35.3 264.98,44.01 167.32,44.01 166.87,44.46 163.38,44.46 162.67,43.75 109.72,43.75 D34.1
  Bottom w0.3: D31.1 92.12,106.93 ; 92.12,106.8 92.12,81.36 D32.1 100.01,73.47 100.01,63.95 D33.1 104.73,59.22 104.73,45.25 D34.1 115.21,34.77 115.21,25.25 D35.1
ColG: length 285.1
  Top w0.3: 279.5,33.25 274.89,33.25 264.73,43.41 167.08,43.41 166.62,43.86 163.63,43.86 162.92,43.15 128.17,43.15 D40.1
  Bottom w0.3: D42.1 116.23,5.01 134.18,22.96 D41.1 ; 121.31,108.05 115.21,101.96 115.21,82.91 D38.1 119.06,73.47 119.06,63.95 D39.1 123.78,59.22 123.78,45.25 D40.1 133.5,35.53 133.5,26.14 136.55,23.09
ColH: length 238.9
  Top w0.3: D46.1 146.75,42.55 163.17,42.55 163.88,43.26 166.37,43.26 171.81,37.82 247.78,37.82 249.43,36.17 251.5,36.17 252.04,35.63 261.93,35.63 266.26,31.3 U1.8
  Bottom w0.3: 141,108.05 134.43,101.49 134.43,83.07 D44.1 138.33,73.25 138.33,63.73 D45.1 143.15,58.9 143.15,44.68 145.95,41.88 ; D47.1 152.55,26.01 152.55,31.98 146.08,38.46 D46.1
ColI: length 219.1
  Top w0.3: U1.9 267.42,29.3 261.69,35.03 251.79,35.03 251.25,35.57 249.18,35.57 247.53,37.22 171.56,37.22 166.78,42.01 D52.1
  Bottom w0.3: 160.05,108.05 153.48,101.49 153.48,83.07 D50.1 157.16,73.47 157.16,64.58 D51.1 162.2,59.54 162.2,44.42 164.62,42.01 ; 173.76,22.96 171.6,25.12 171.6,35.53 D52.1
ColJ: length 189.1
  Top w0.3: 193.19,23.09 209.96,23.09 211.48,24.61 214.02,24.61 214.94,23.69 233.16,23.69 234.69,25.21 238.14,25.21 239.58,23.78 274.91,23.78 278.41,27.28 279.81,27.28
  Bottom w0.3: 183.67,42.01 181,44.68 181,59.16 D57.1 176.21,63.95 176.21,73.47 D56.1 172.36,82.91 172.36,87.86 179.1,94.59 179.1,108.05 ; D58.1 190.91,35.28 190.91,26.14 190.65,25.88 190.65,25.37 D59.1
ColK: length 209.4
  Top w0.3: D65.1 233.28,22.96 234.93,24.61 237.9,24.61 239.33,23.18 278.19,23.18 279.81,21.56 281.97,21.56 283.13,22.72 U1.11
  Bottom w0.3: 207.67,108.05 191.58,91.96 191.58,82.44 D62.1 195.26,74.11 195.26,63.95 D63.1 200.3,58.9 200.3,44.3 D64.1 209.7,34.9 209.7,26.01 D65.1 205.94,22.96 190.53,7.55 D66.1
ColL: length 197.4
  Top w0.3: U1.12 285.13,22.69 283.4,20.97 279.56,20.97 277.94,22.58 236.75,22.58
  Bottom w0.3: D72.1 212.12,5.29 229.91,23.09 D71.1 234.59,23.09 228.75,28.93 228.75,35.53 D70.1 219.35,44.93 219.35,58.27 D69.1 215.04,62.59 215.04,72.75 D68.1 210.21,82.65 210.21,92.04 210.35,92.18 222.62,92.18 226.72,96.27 226.72,108.05
ColM: length 172.8
  Top w0.3: v1(241.71,15.47) 242.56,16.32 280.79,16.32 287.13,22.66 287.13,23.6
  Bottom w0.3: 241.6,15.33 241.6,38.47 D76.1 238.4,48.49 238.4,58.9 D75.1 233.36,63.95 233.36,73.47 D74.1 229.51,82.91 229.51,91.8 245.77,108.05 ; 241.6,15.33 241.6,9.26 D78.1 ; 241.6,15.33 241.71,15.44 v1(241.71,15.47)
ColN: length 158.8
  Top w0.3: U1.14 289.13,22.76 283.29,16.92 282.24,16.92 281.04,15.72 259.74,15.72 v1(259.23,15.21)
  Bottom w0.3: 259.13,15.62 259.13,5.16 D84.1 ; 259.13,15.62 259.13,21.2 260.44,22.52 260.44,30.71 255.68,35.48 255.68,58.27 D81.1 257.25,62.28 257.25,67.23 247.55,76.94 D80.1 250.09,82.68 250.09,99.03 257.2,106.15 262.79,106.15 D79.1 ; 259.13,15.62 259.23,15.51 v1(259.23,15.21)
ColO: length 120.2
  Top w0.3: 302.41,18.26 296.74,18.26 293.69,21.31 292.51,21.31 291.13,22.69 U1.15
  Bottom w0.3: D87.1 290.47,62.84 290.47,78.33 D86.1 291.49,82.91 291.49,105.38 D85.1 ; D90.1 306.98,23.09 306.98,46.2 292.51,60.68 288.7,60.68
ColP: length 146.3
  Top w0.3: v1(310.41,17.88) 308.76,19.53 296.32,19.53 293.94,21.91 293.81,21.91 293.13,22.6 293.13,23.83
  Bottom w0.3: 310.41,22.96 v1(310.41,17.88) 310.41,6.71 D96.1 ; 310.41,22.96 D95.1 ; 310.41,22.96 310.41,58.39 D93.1 309,62.31 309,78.86 D92.1 304.95,82.91 ; 307.75,107.92 304.95,105.13 ; 304.95,105 304.95,83.16 305.21,82.91
ColQ: length 149.4
  Top w0.3: 295.13,23.64 295.13,22.76 297.71,20.17 327.43,20.17 v1(328.32,19.28) ; D99.1 331.24,61.06 v1(331.37,60.93)
  Bottom w0.3: v1(331.37,60.93) 330.21,59.78 330.21,47.92 328.3,46.01 328.3,19.3 v1(328.32,19.28) 328.3,19.26 328.3,5.29 D102.1 ; 329.41,105.44 329.41,98.48 327.81,96.88 327.81,81.38 D98.1 327.79,78.86 327.79,62.31 D99.1 ; D97.1 329.41,105.56
Row0: length 431.8
  Top w0.3: v1(316.13,39.34) 316.08,39.3 303.52,39.3 ; SW97.1 SW1.1
  Bottom w0.3: 330.01,108.01 330.01,98.23 328.41,96.63 328.41,48.73 319.02,39.34 v1(316.13,39.34) ; 330.01,108.14 SW91.1
Row1: length 409.2
  Top w0.3: v1(316.13,37.31) 316.11,37.3 303.52,37.3 ; 338.62,89.96 10.24,89.96
  Bottom w0.3: v1(316.13,37.31) 317.91,37.31 329.01,48.42 329.01,88.64 330.59,90.22 SW98.1
Row2: length 387.8
  Top w0.3: SW99.1 14.71,71.22 ; 303.52,35.3 316.11,35.3 v1(316.13,35.28)
  Bottom w0.3: SW99.1 329.99,71.22 329.61,70.84 329.61,48.17 316.72,35.28 v1(316.13,35.28)
Row3: length 294.5
  Top w0.3: SW4.1 19.51,54.33 41.35,54.33 SW10.1 ; 43.8,51.88 264.71,51.88
  Bottom w0.3: 303.08,33.25 301.65,33.25 300.89,34.01 294.28,34.01 276.41,51.88 265.24,51.88
Row4: length 303.4
  Top w0.3: SW95.1 309.4,33.12 307.57,31.3 303.52,31.3 ; 53.35,32.78 260.04,32.78 ; 52.8,32.81 40.73,32.81 39.4,31.47 23.72,31.47 22.39,32.81
  Bottom w0.3: 302.95,31.47 287.17,31.47 281.33,25.63 267.72,25.63 260.3,33.05
Row5: length 352
  Top w0.3: 274.6,14.05 283.34,5.31 299.87,5.31 301.65,7.09 301.65,13.44 301.02,14.07 ; 12.92,13.72 274.28,13.72 ; 300.76,14.07 338.86,14.07
  Bottom w0.3: U1.21 303.13,22.02 300.13,19.02 300.13,14.63
Net-(D1-Pad2): length 13.2
  Top w0.3: 4.22,115.93 D1.2
Net-(D2-Pad2): length 7.6
  Top w0.3: D2.2 3.71,87.86
Net-(D3-Pad2): length 5.2
  Top w0.3: D3.2 8.43,68.81
Net-(D4-Pad2): length 7.4
  Top w0.3: D4.2 10.82,49.76
Net-(D5-Pad2): length 13.1
  Top w0.3: D5.2 15.39,30.96
Net-(D6-Pad2): length 13.1
  Top w0.3: 6.4,11.66 D6.2
Net-(D8-Pad2): length 5.7
  Top w0.3: D8.2 22.86,87.73
Net-(D9-Pad2): length 5.7
  Top w0.3: 26.7,68.68 32.44,68.68
Net-(D10-Pad2): length 16.9
  Top w0.3: 23.27,50.77 26.22,53.73 33.06,53.73 SW10.2
Net-(D11-Pad2): length 5.4
  Top w0.3: 46.71,30.53 41.35,30.53
Net-(D12-Pad2): length 5.6
  Top w0.3: D12.2 29.87,11.66
Net-(D13-Pad2): length 5.7
  Top w0.3: D13.2 SW13.2
Net-(D14-Pad2): length 5.7
  Top w0.3: D14.2 41.91,87.73
Net-(D15-Pad2): length 5.7
  Top w0.3: 45.75,68.68 51.49,68.68
Net-(D16-Pad2): length 6
  Top w0.3: D16.2 56.21,49.63
Net-(D17-Pad2): length 5.4
  Top w0.3: 65.76,30.53 60.4,30.53
Net-(D18-Pad2): length 8.1
  Top w0.3: D18.2 53.8,11.53
Net-(D19-Pad2): length 6.4
  Top w0.3: D19.2 SW19.2
Net-(D20-Pad2): length 5.7
  Top w0.3: D20.2 60.96,87.73
Net-(D21-Pad2): length 5.7
  Top w0.3: 70.56,68.66 64.82,68.66
Net-(D22-Pad2): length 6
  Top w0.3: D22.2 75.26,49.63
Net-(D23-Pad2): length 5.4
  Top w0.3: 84.81,30.53 79.45,30.53
Net-(D25-Pad2): length 5.7
  Top w0.3: D25.2 SW25.2
Net-(D26-Pad2): length 5.7
  Top w0.3: D26.2 80.01,87.73
Net-(D27-Pad2): length 5.7
  Top w0.3: 89.61,68.66 83.87,68.66
Net-(D28-Pad2): length 6
  Top w0.3: D28.2 94.31,49.63
Net-(D29-Pad2): length 5.4
  Top w0.3: 103.86,30.53 98.5,30.53
Net-(D31-Pad2): length 5.7
  Top w0.3: D31.2 SW31.2
Net-(D32-Pad2): length 5.7
  Top w0.3: D32.2 99.06,87.73
Net-(D33-Pad2): length 5.7
  Top w0.3: 108.66,68.66 102.92,68.66
Net-(D34-Pad2): length 5.4
  Top w0.3: D34.2 113.36,49.63
Net-(D35-Pad2): length 5.4
  Top w0.3: 122.91,30.53 117.55,30.53
Net-(D37-Pad2): length 6.3
  Top w0.3: D37.2 SW37.2
Net-(D38-Pad2): length 5.7
  Top w0.3: D38.2 118.11,87.73
Net-(D39-Pad2): length 5.7
  Top w0.3: 127.71,68.66 121.97,68.66
Net-(D40-Pad2): length 5.4
  Top w0.3: D40.2 132.41,49.63
Net-(D41-Pad2): length 5.4
  Top w0.3: 141.96,30.53 136.6,30.53
Net-(D42-Pad2): length 9
  Top w0.3: D42.2 125.21,11.53
Net-(D43-Pad2): length 5.7
  Top w0.3: D43.2 SW43.2
Net-(D44-Pad2): length 5.7
  Top w0.3: D44.2 137.16,87.73
Net-(D45-Pad2): length 5.7
  Top w0.3: 146.76,68.66 141.02,68.66
Net-(D46-Pad2): length 5.3
  Top w0.3: D46.2 151.38,49.5
Net-(D47-Pad2): length 5.4
  Top w0.3: 161.01,30.53 155.65,30.53
Net-(D49-Pad2): length 5.7
  Top w0.3: D49.2 SW49.2
Net-(D50-Pad2): length 5.7
  Top w0.3: D50.2 156.21,87.73
Net-(D51-Pad2): length 5.1
  Top w0.3: 165.81,68.66 160.71,68.66
Net-(D52-Pad2): length 5.4
  Top w0.3: D52.2 170.51,49.63
Net-(D53-Pad2): length 5.6
  Top w0.3: 180.06,30.53 174.45,30.53
Net-(D55-Pad2): length 5.7
  Top w0.3: D55.2 SW55.2
Net-(D56-Pad2): length 5.7
  Top w0.3: D56.2 175.26,87.73
Net-(D57-Pad2): length 5.7
  Top w0.3: 184.86,68.66 179.12,68.66
Net-(D58-Pad2): length 5.4
  Top w0.3: D58.2 189.56,49.63
Net-(D59-Pad2): length 6
  Top w0.3: 199.11,30.53 193.12,30.53
Net-(D61-Pad2): length 5.7
  Top w0.3: D61.2 SW61.2
Net-(D62-Pad2): length 5.1
  Top w0.3: D62.2 194.31,87.73
Net-(D63-Pad2): length 5.7
  Top w0.3: 203.91,68.66 198.17,68.66
Net-(D64-Pad2): length 6
  Top w0.3: D64.2 208.61,49.63
Net-(D65-Pad2): length 5.4
  Top w0.3: 218.16,30.53 212.8,30.53
Net-(D66-Pad2): length 6.1
  Top w0.3: D66.2 196.6,11.53
Net-(D67-Pad2): length 5.7
  Top w0.3: D67.2 232.44,115.8
Net-(D68-Pad2): length 5.7
  Top w0.3: D68.2 213.36,87.73
Net-(D69-Pad2): length 6.4
  Top w0.3: 222.96,68.66 216.59,68.66
Net-(D70-Pad2): length 5.4
  Top w0.3: D70.2 227.66,49.63
Net-(D71-Pad2): length 17.5
  Top w0.3: D71.2 253.75,30.71
Net-(D72-Pad2): length 8.4
  Top w0.3: D72.2 220.5,11.53
Net-(D73-Pad2): length 5.7
  Top w0.3: D73.2 SW73.2
Net-(D74-Pad2): length 5.7
  Top w0.3: D74.2 232.41,87.73
Net-(D75-Pad2): length 5.7
  Top w0.3: 242.01,68.66 236.27,68.66
Net-(D76-Pad2): length 13.5
  Top w0.3: D76.2 258.52,49.5
Net-(D78-Pad2): length 8.1
  Top w0.3: D78.2 244.35,11.53
Net-(D79-Pad2): length 5.7
  Top w0.3: D79.2 SW79.2
Net-(D80-Pad2): length 13.4
  Top w0.3: D80.2 260.96,87.76
Net-(D81-Pad2): length 7.3
  Top w0.3: 265.79,68.66 258.5,68.66
Net-(D84-Pad2): length 7.8
  Top w0.3: D84.2 268.22,11.53
Net-(D85-Pad2): length 5.7
  Top w0.3: 288.95,115.8 294.67,115.8
Net-(D86-Pad2): length 5.7
  Top w0.3: 288.95,87.73 294.64,87.73
Net-(D87-Pad2): length 5.8
  Top w0.3: 288.95,68.68 294.72,68.68
Net-(D90-Pad2): length 6.6
  Top w0.3: 294.79,18.26 294.79,11.66
Net-(D91-Pad2): length 5.7
  Top w0.3: D91.2 SW91.2
Net-(D92-Pad2): length 5.7
  Top w0.3: D92.2 313.44,87.73
Net-(D93-Pad2): length 5.8
  Top w0.3: 307.75,68.68 SW93.2
Net-(D95-Pad2): length 13.1
  Top w0.3: 313.58,30.7 326.68,30.7
Net-(D96-Pad2): length 5.6
  Top w0.3: D96.2 313.33,11.66
Net-(D97-Pad2): length 5.7
  Top w0.3: D97.2 SW97.2
Net-(D98-Pad2): length 5.1
  Top w0.3: 327.43,87.73 332.49,87.73
Net-(D99-Pad2): length 5.1
  Top w0.3: 327.43,68.68 SW99.2
Net-(D102-Pad2): length 5.3
  Top w0.3: D102.2 332.38,11.66

## Copper pours and planes (outline as drawn; the poured copper is in the pictures)
GND on Top, Bottom: 343.56,121.89 343.31,-0.03 -0.1,-0.03 -0.1,121.89

## Text on the board
B.Silkscreen: Reset | BootSel | ${TITLE} ${REVISION} / ${COMPANY} / ${URL} | USB D- | USB D+ | +5V | GND | SWDCLK | SWDIO | +3V3 | GP21 | GP19 | GP18 | GP17
F.Silkscreen: ${TITLE} ${REVISION} / ${COMPANY} / ${URL} | JLCJLCJLCJLC
